# Altium PCB SAMW25_Xplained_Pro.PcbDoc (part 1 of 9)
Units mm, origin at the board's own origin, x right, y up, seen from the top; angles counter-clockwise.
Board outline 60 x 60 mm, 4 copper layers (Top Layer LF-signals, GND, POWER, Bottom Layer LF-signals), stack 1.602 mm thick; 139 components, 107 nets, 540 pads, 303 vias.
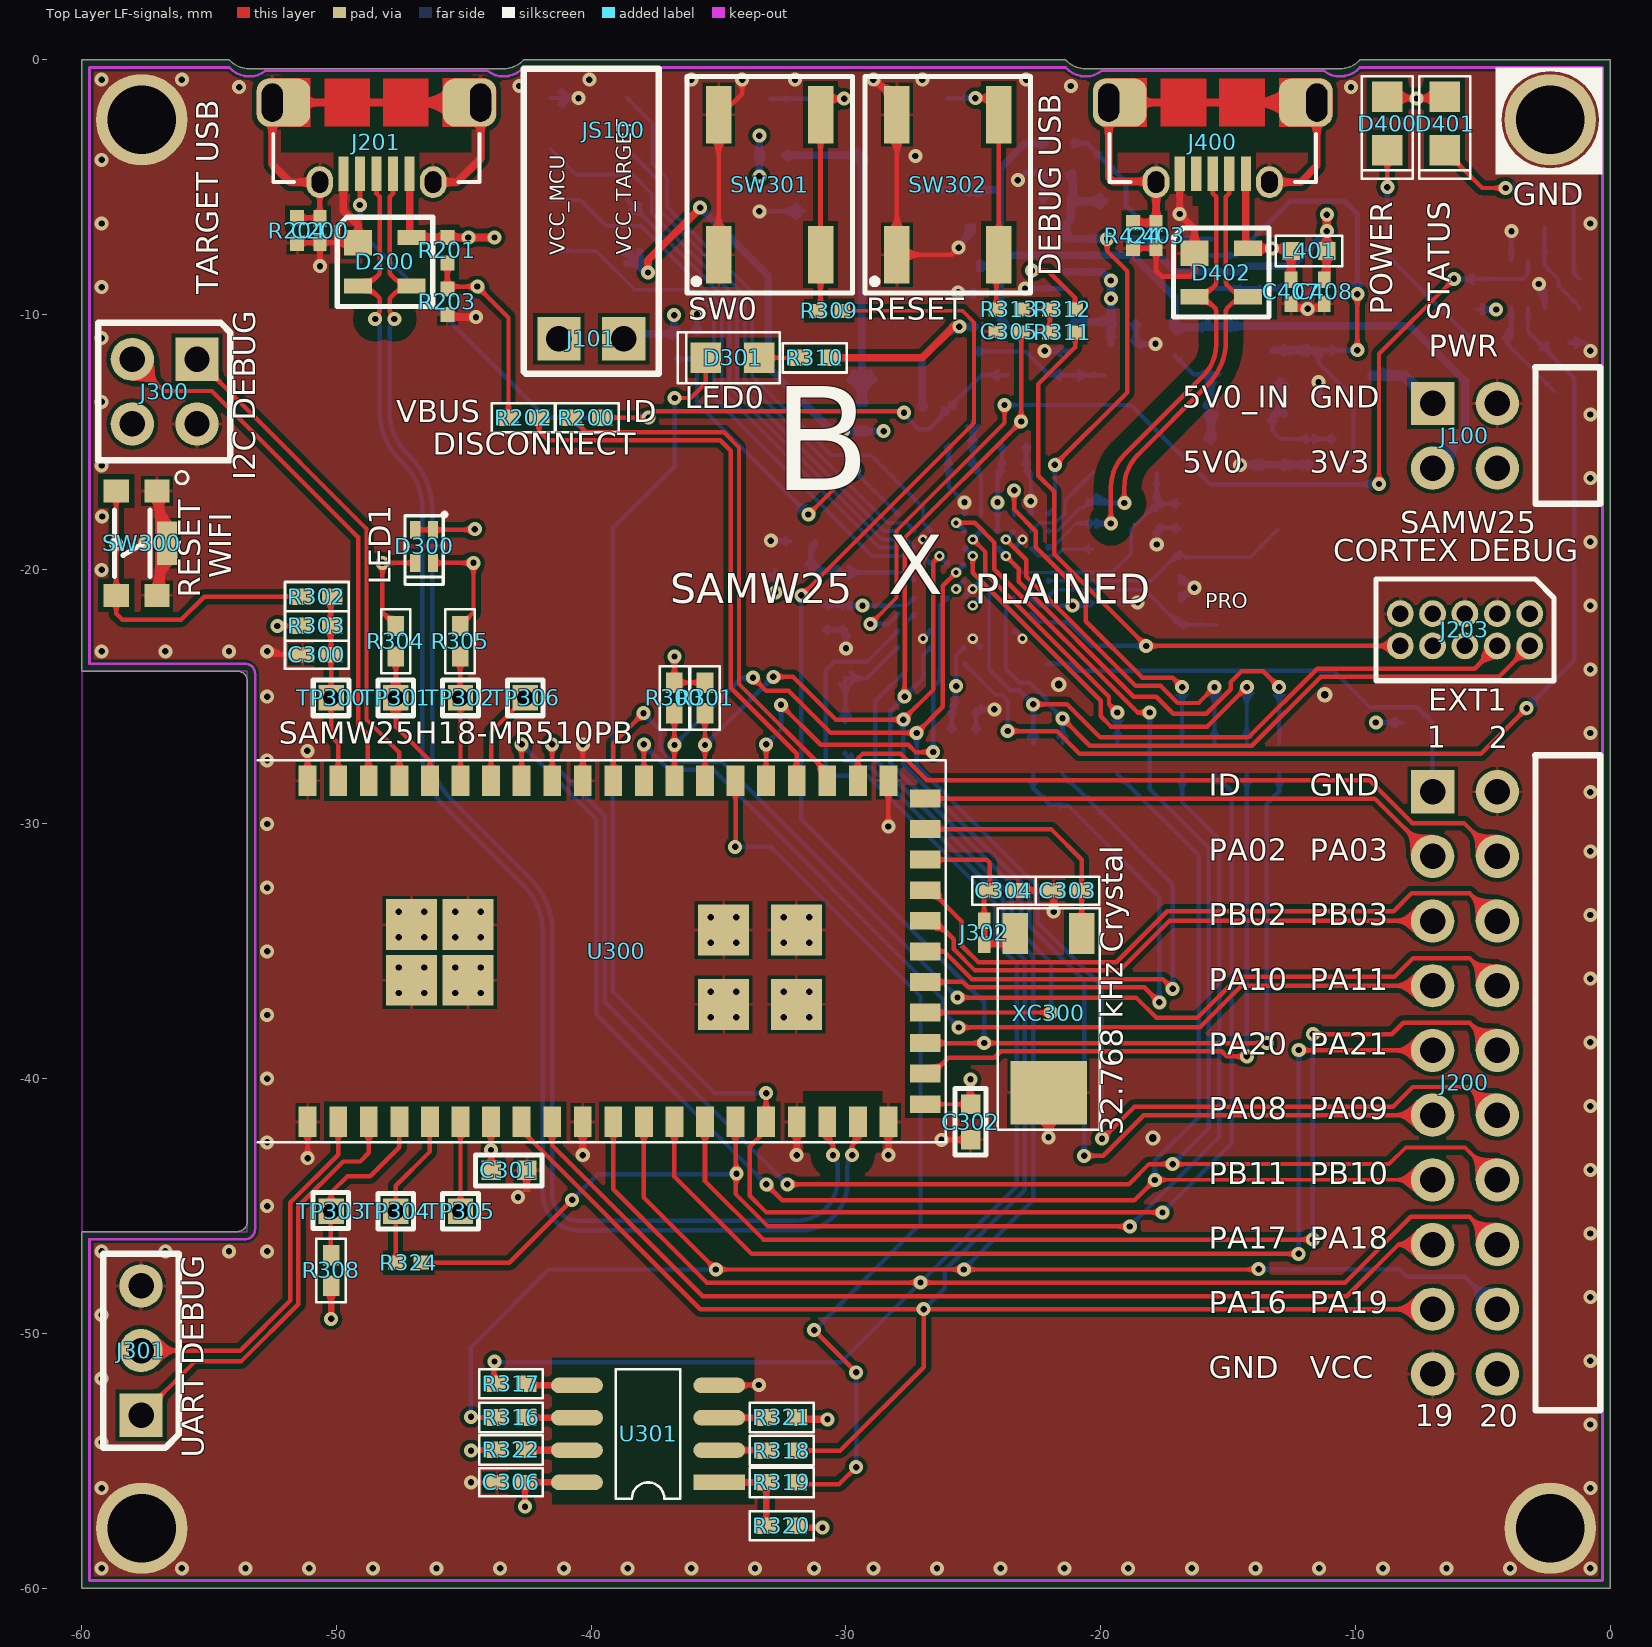
[diagram p0: Top Layer LF-signals view]
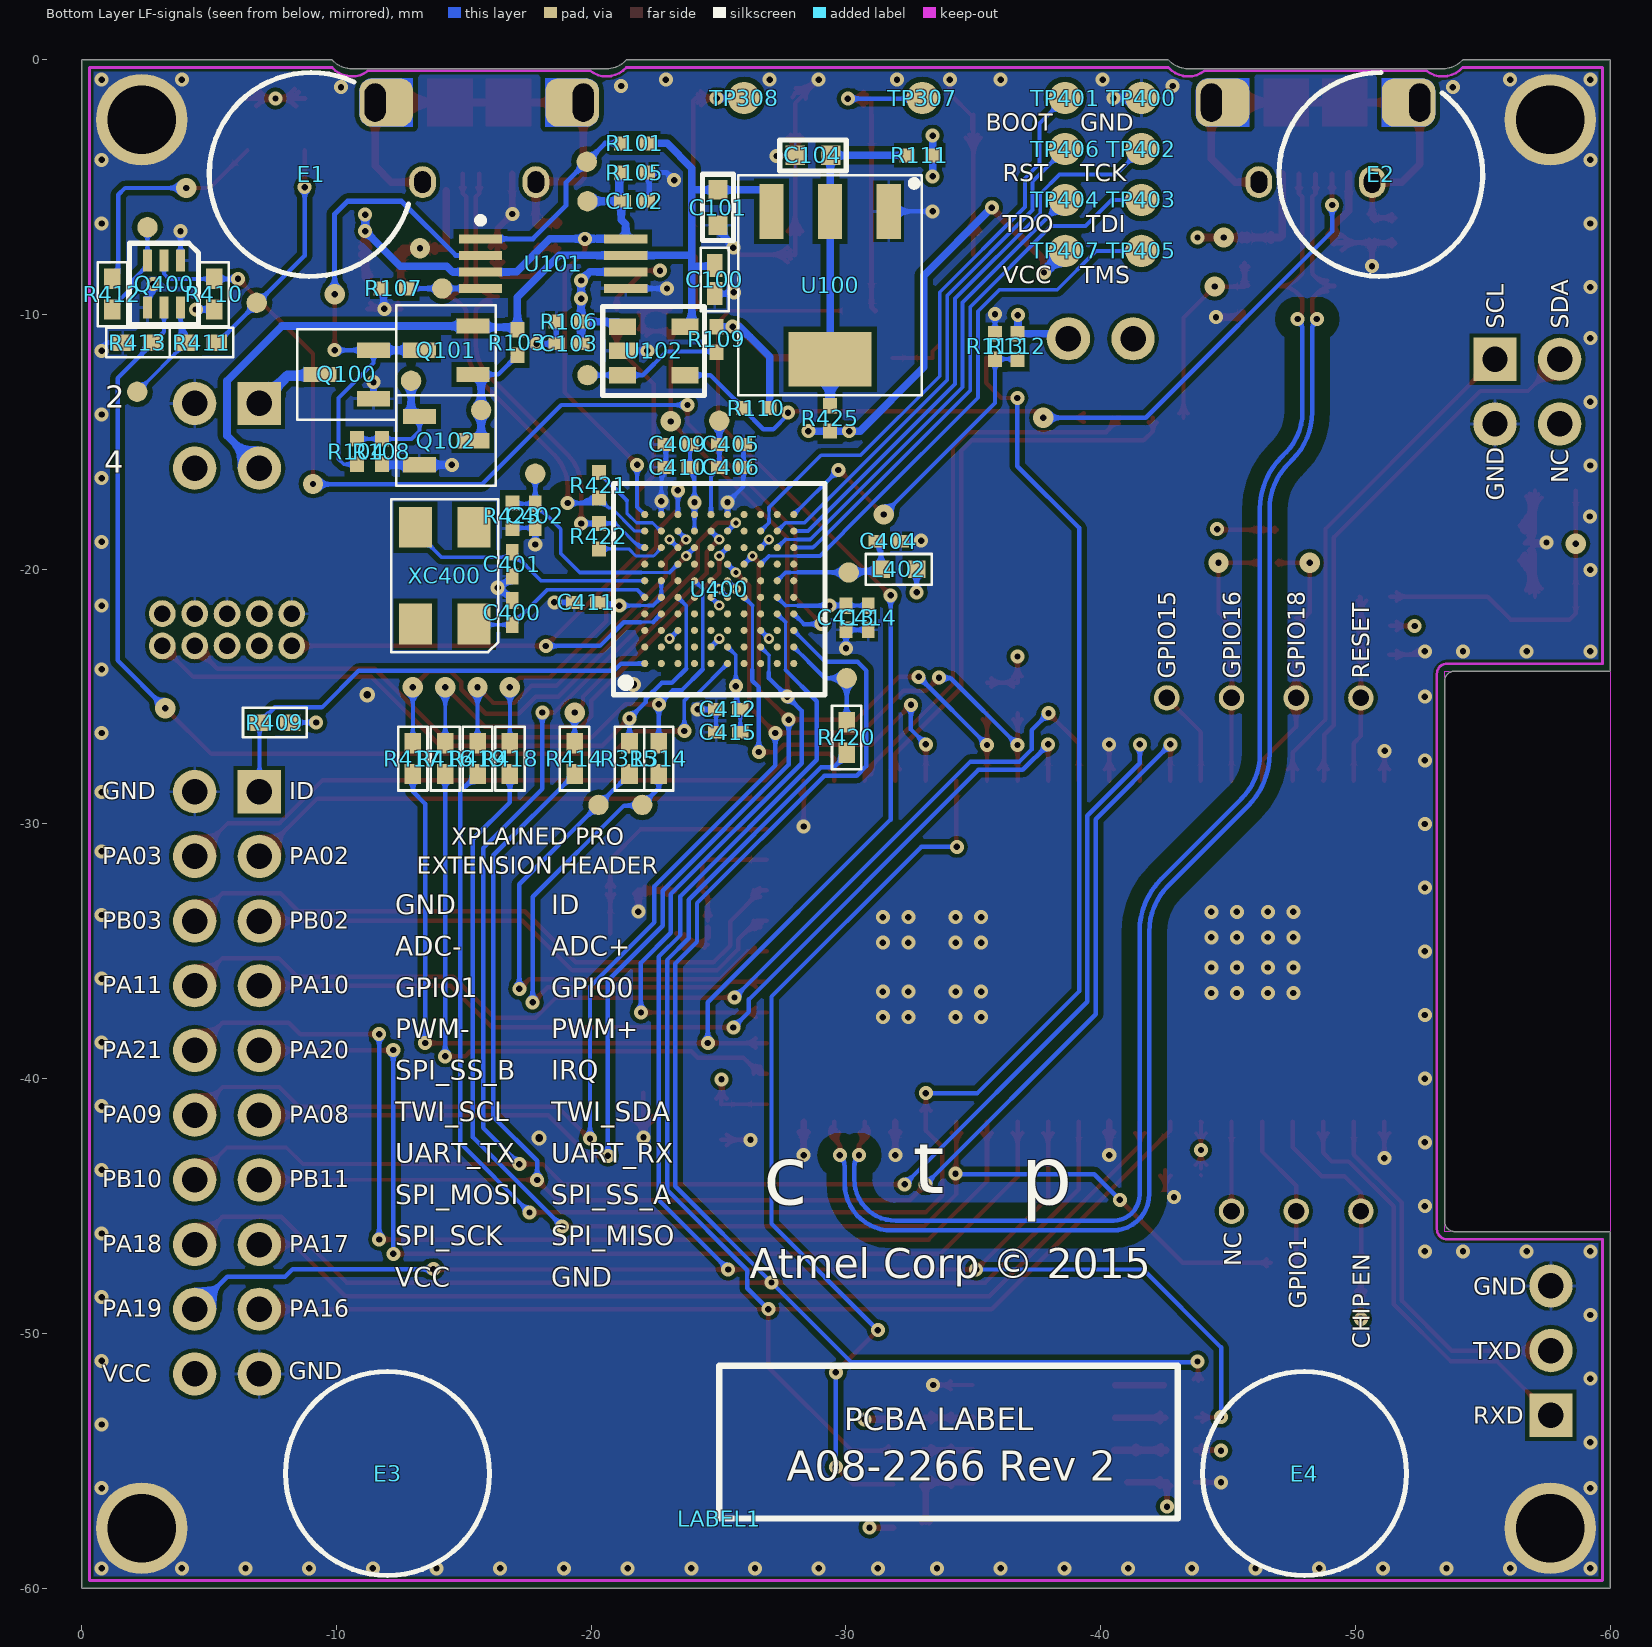
[diagram p1: Bottom Layer LF-signals view, seen from below]
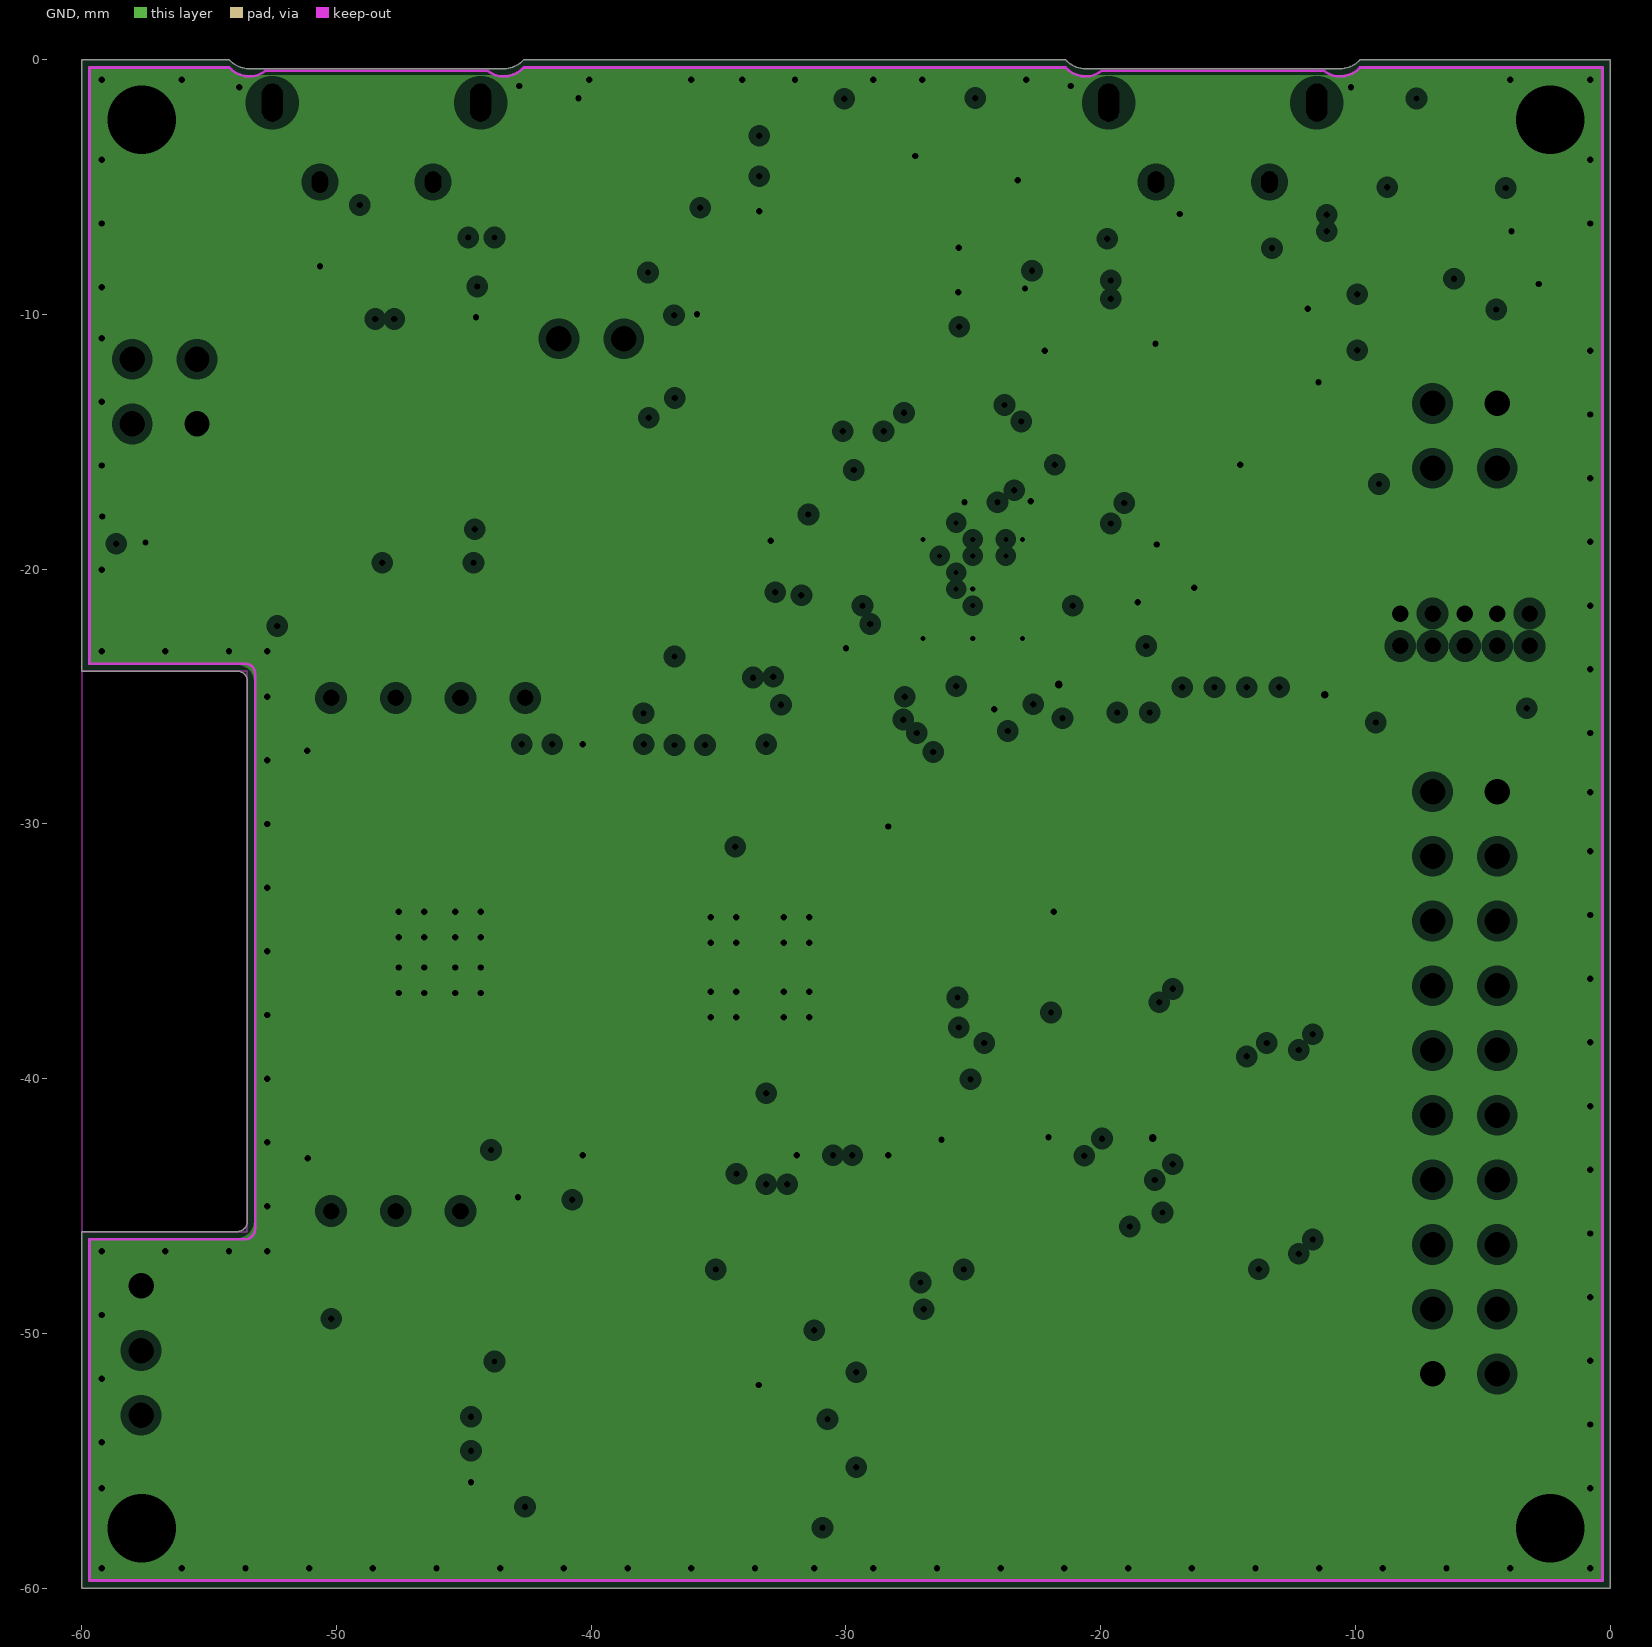
[diagram p2: GND, clearances drawn from the general rule]
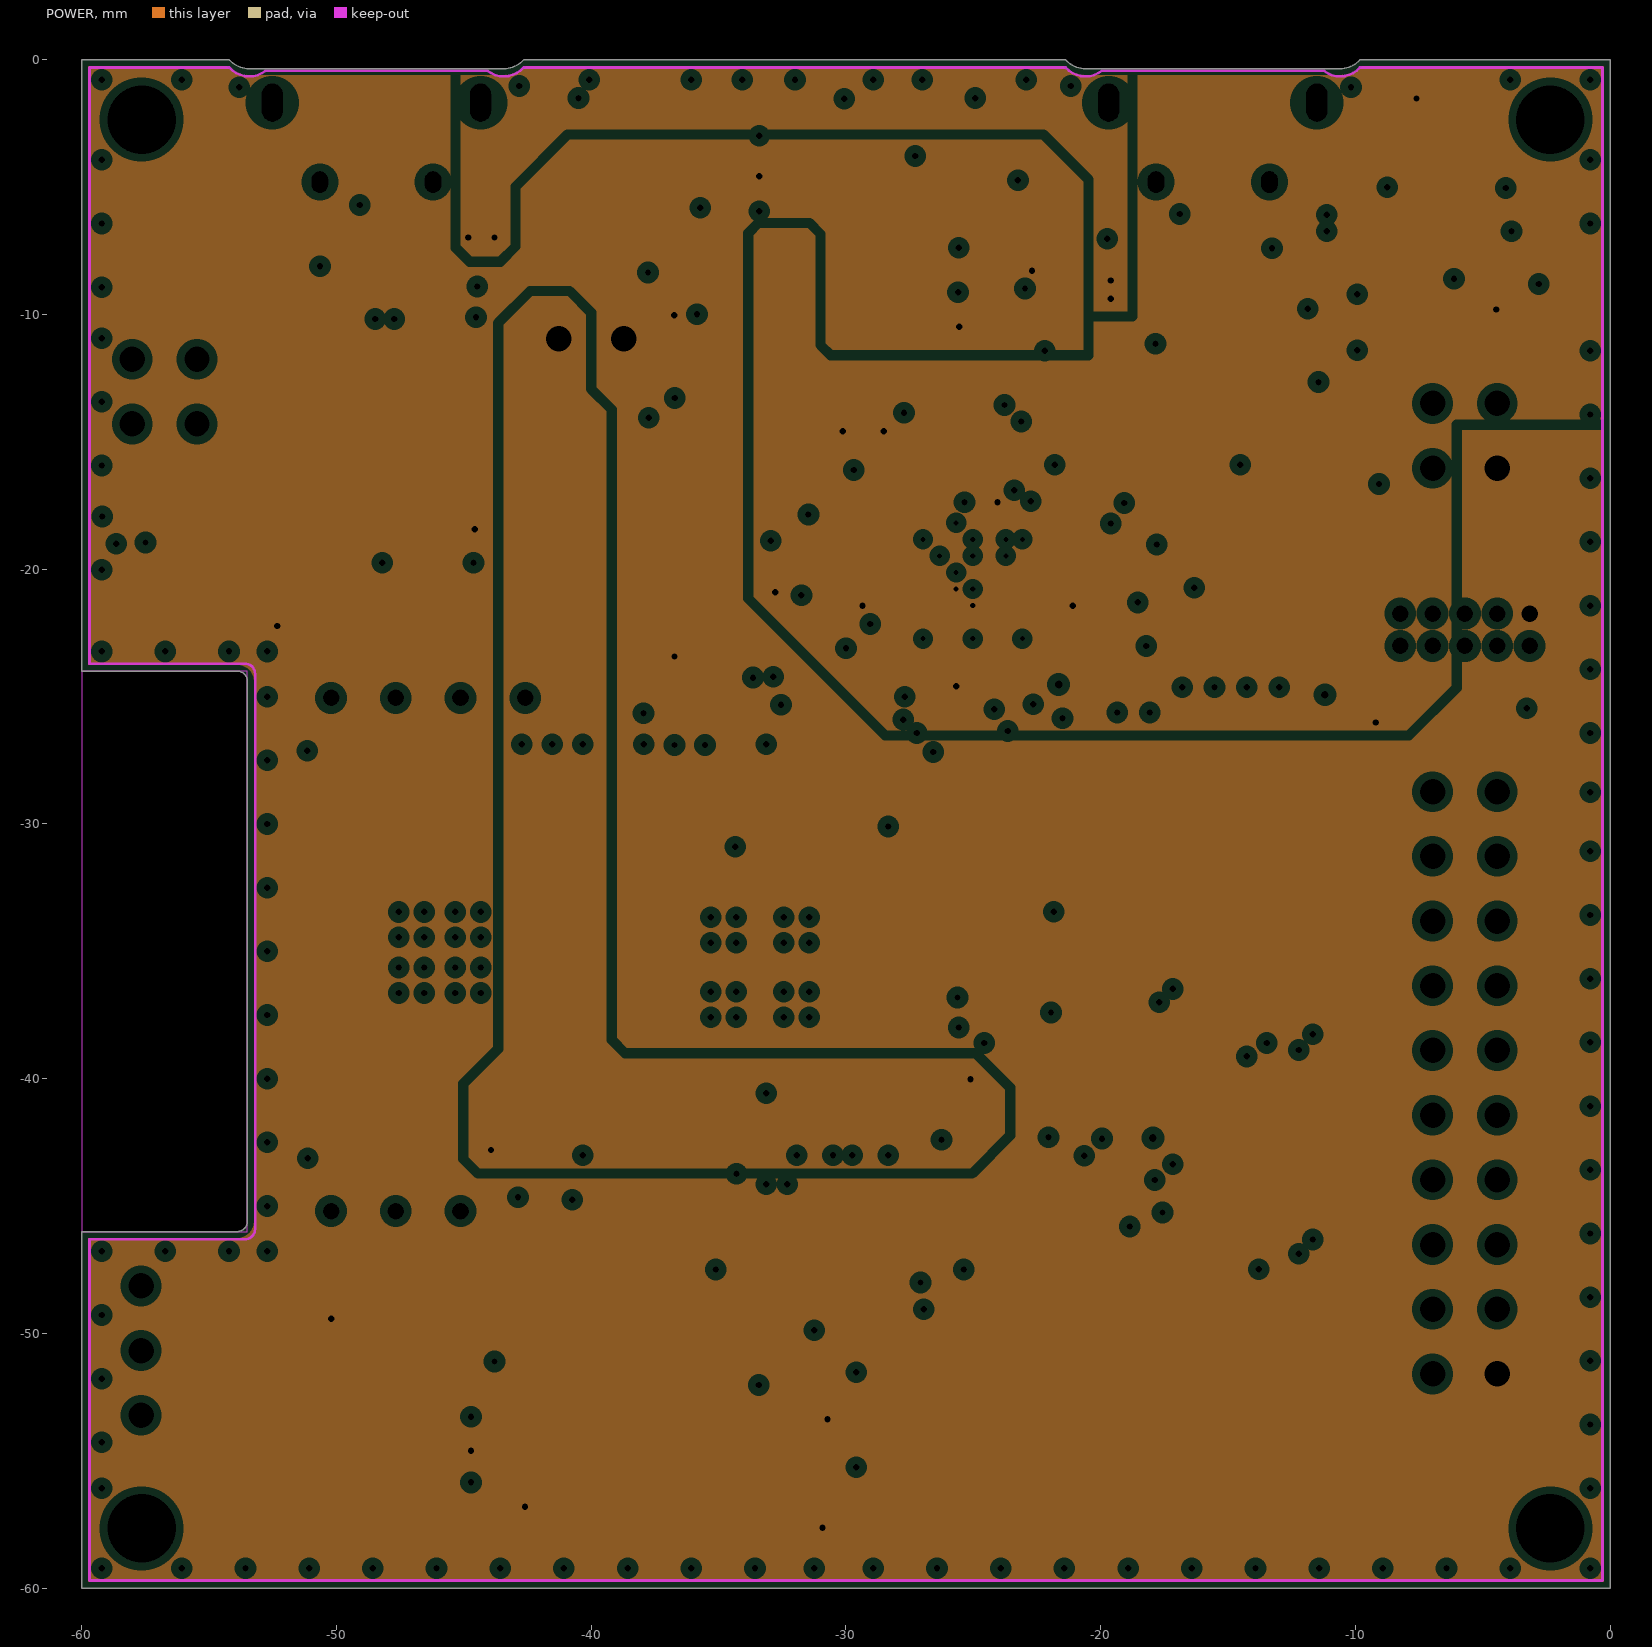
[diagram p3: POWER, clearances drawn from the general rule]
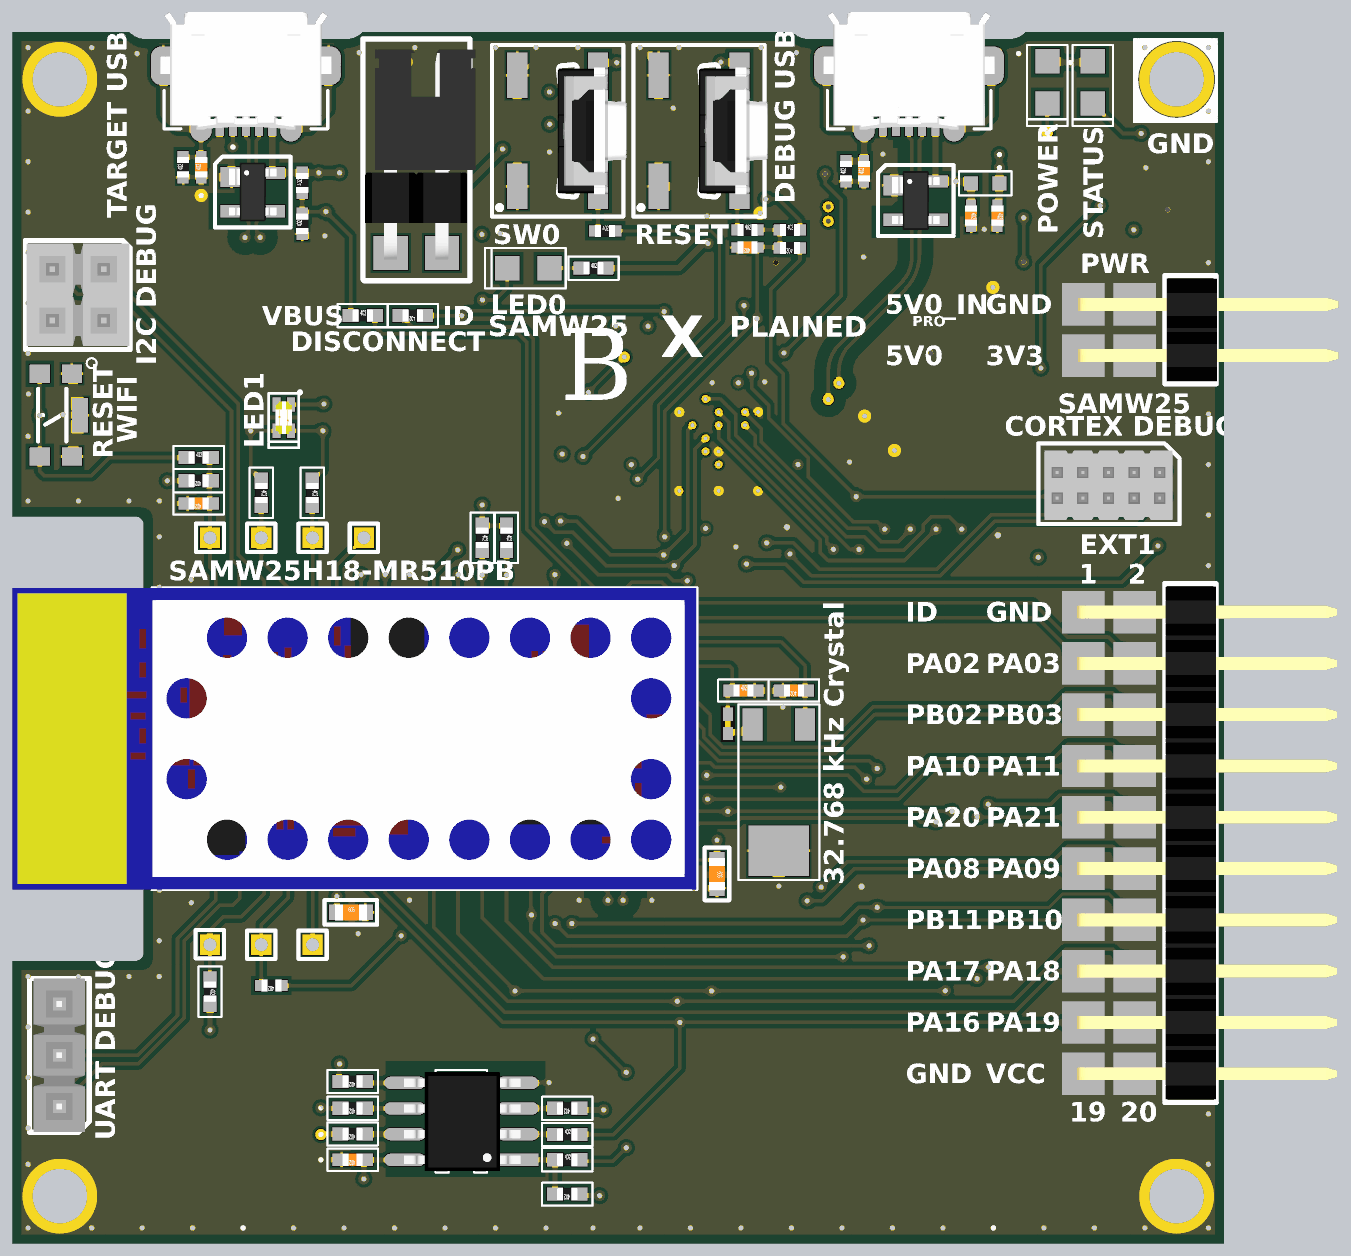
[diagram p12: 3D render of the assembled board from above, using the file's embedded part models]
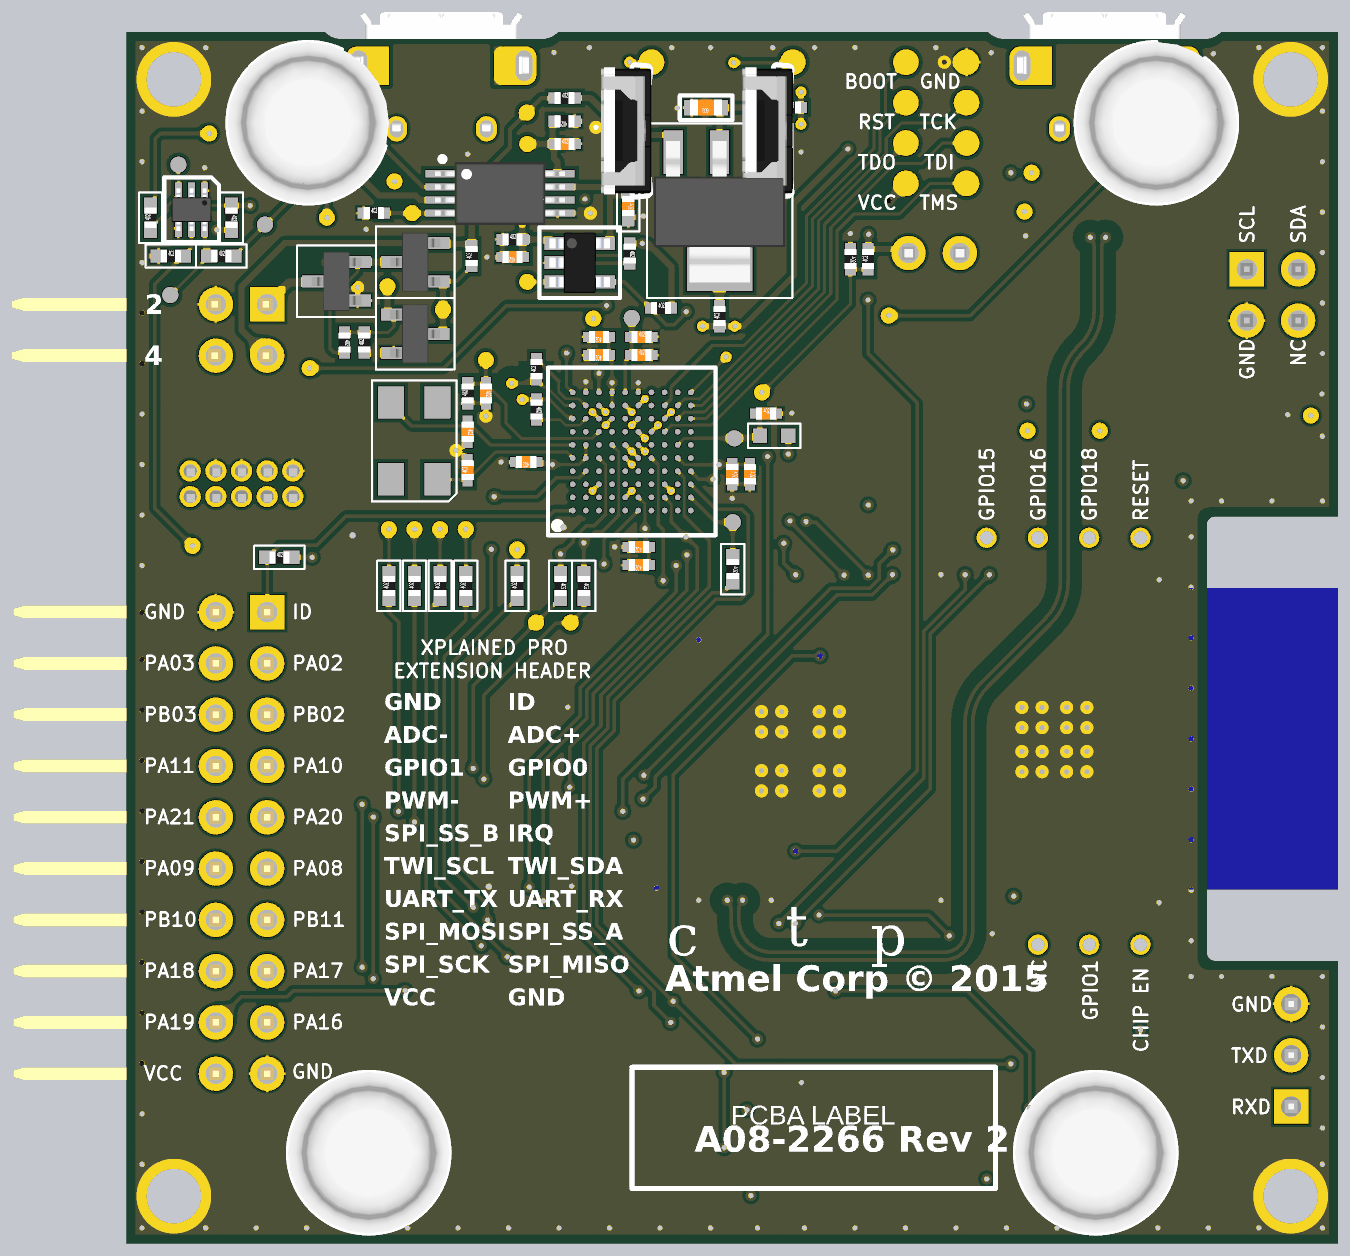
[diagram p13: 3D render of the assembled board from below, using the file's embedded part models]

## Layer stack, top to bottom
Top Solder: solder mask 0.0102, Solder Resist, Dk 3.5
Top Layer LF-signals: signal copper 0.0356
Dielectric1: prepreg 0.13, FR-4, Dk 4.8
GND: plane copper 0.0356, net GND
Dielectric2: core 1.2, FR-4, Dk 4.8
POWER: plane copper 0.0356, net (Multiple Nets)
Dielectric3: prepreg 0.13, FR-4, Dk 4.8
Bottom Layer LF-signals: signal copper 0.0356
Bottom Solder: solder mask 0.0102, Solder Resist, Dk 3.5

## Board outline
-60,-46 -53.9,-46 ccw(c-53.9,-45.6) -53.5,-45.6 -53.5,-24.4 ccw(c-53.9,-24.4) -53.9,-24 -60,-24 -60,0 -54.209,0 -54.209,-0.001 ccw(c-53.434,0.686) -53.434,-0.35 -43.434,-0.35 ccw(c-43.434,0.686) -42.659,-0.001 -42.659,0 -21.375,0 -21.375,-0.001 ccw(c-20.6,0.686) -20.6,-0.35 -10.6,-0.35 ccw(c-10.6,0.686) -9.825,-0.001 -9.825,0 0,0 0,-60 -60,-60

## Design rules (kind name [scope] priority, off if disabled: settings)
AcuteAngle [All] p1: minimum=7.00000000000000E+0001 checktracksonly=FALSE
AssemblyTestPointUsage "Schematic Assembly Testpoint Usage_8" [InNet('EDBG_USB_HS_P')] p1: valid=1
AssemblyTestPointUsage "Schematic Assembly Testpoint Usage_7" [InNet('EDBG_USB_HS_N')] p2: valid=1
AssemblyTestPointUsage "Schematic Assembly Testpoint Usage_6" [InNet('EDBG_USB_FS_P')] p3: valid=1
AssemblyTestPointUsage "Schematic Assembly Testpoint Usage_5" [InNet('EDBG_USB_FS_N')] p4: valid=1
AssemblyTestPointUsage "Schematic Assembly Testpoint Usage_10" [InNet('XOUT0')] p5: valid=1
AssemblyTestPointUsage "Schematic Assembly Testpoint Usage_9" [InNet('XIN0')] p6: valid=1
AssemblyTestPointUsage "Schematic Assembly Testpoint Usage_4" [InNet('PA00_XIN32')] p7: valid=1
AssemblyTestPointUsage "Schematic Assembly Testpoint Usage_3" [InNet('PA01_XOUT32')] p8: valid=1
AssemblyTestPointUsage "Schematic Assembly Testpoint Usage_2" [InNet('NetJ302_1')] p9: valid=1
AssemblyTestPointUsage "Schematic Assembly Testpoint Usage_1" [InNet('TARGET_USB_P')] p10: valid=1
AssemblyTestPointUsage "Schematic Assembly Testpoint Usage" [InNet('TARGET_USB_N')] p11: valid=1
AssemblyTestPointUsage [All] p12:
AssemblyTestpoint [All] p1: testpointundercomponent=TRUE minsize=0.8 maxsize=10 preferedsize=0.8 minholesize=0 maxholesize=2 preferedholesize=0.25 testpointgrid=0.025 usegrid=FALSE gridtolerance=0 allowsidebottom=TRUE minspacing=1.27 compbodyclearance=0.127
Clearance "Stitching GND" [IsStitchingVia and InNet('GND') vs (IsVia and (Not IsStitchingVia)) Or IsPad] p1: gap=1
Clearance Clearance_Poly_USB_Impedance [IsRegion vs InNet('TARGET_USB_P') OR InNet('TARGET_USB_N') OR InNet('EDBG_USB_HS_P') OR InNet('EDBG_USB_HS_N')] p2: gap=0.6
Clearance Clearance_Poly_KeepOut [(IsRegion OR IsFill) AND (OnLayer('Top Layer LF-signals') OR OnLayer('Bottom Layer LF-signals')) vs (OnLayer('Keep-Out Layer'))] p3: gap=0.1
Clearance Clearance_Poly [IsRegion vs (OnLayer('Top Layer LF-signals') OR OnLayer('Bottom Layer LF-signals'))] p4: gap=0.2
Clearance Clearance_EDBG [WithinRoom('Room_EDBG')] p5: gap=0.119
Clearance [All] p6: gap=0.15
DiffPairsRouting [All] p1: maxlimit=0.25 minlimit=0.2 mostfreqgap=0.2 toplayer_minwidth=0.18 toplayer_maxwidth=0.02 toplayer_prefwidth=0.18 bottomlayer_minwidth=0.18 bottomlayer_maxwidth=0.02 bottomlayer_prefwidth=0.18 maxuncoupledlength=5
FabricationTestPointUsage TestPointUsage [All] p1: valid=0 allowmultiple=FALSE
FabricationTestpoint Testpoint [All] p1: side=2 testpointundercomponent=TRUE minsize=0.55 maxsize=10 preferedsize=0.8 minholesize=0 maxholesize=2 preferedholesize=0.25 testpointgrid=0 allowsidebottom=TRUE usegrid=FALSE gridtolerance=0 minspacing=1.27 compbodyclearance=0.127
HoleSize [All] p1: absolutevalues=TRUE maxlimit=10 minlimit=0.15 maxpercent=80.000 minpercent=20.000
HoleToHoleClearance [All] p1: gap=0.3 allowstackedmicrovias=TRUE
MinimumAnnularRing [All] p1: minimumring=0.1
MinimumSolderMaskSliver [All] p1: minsoldermaskwidth=0.075
NetAntennae [not IsAssyTestpoint] p1: netantennaetolerance=0
PlaneClearance [All] p1: clearance=0.3
PlaneConnect PlaneConnect_VIA [IsVia OR HasPad('Free-666')] p1: planeconnectstyle=Direct reliefexpansion=0.508 reliefentries=4 reliefconductorwidth=0.254 reliefairgap=0.254
PlaneConnect "PlaneConnect 50mil" [HasFootprint('AP8-00257')] p2: planeconnectstyle=Relief reliefexpansion=0.2 reliefentries=4 reliefconductorwidth=0.2 reliefairgap=0.2
PlaneConnect [All] p3: planeconnectstyle=Relief reliefexpansion=0.508 reliefentries=4 reliefconductorwidth=0.254 reliefairgap=0.254
PolygonConnect PolygonConnect_VIA [IsVia OR HasPad('Free-666')] p1: connectstyle=Direct reliefconductorwidth=0.254 reliefentries=4 polygonreliefangle="90 Angle" airgapwidth=0.254
PolygonConnect [All] p2: connectstyle=Relief reliefconductorwidth=0.125 reliefentries=4 polygonreliefangle="90 Angle" airgapwidth=0.125
RoomDefinition Room_EDBG [InComponentClass('Room Definition 1')] p1: confinementstyle=ConfineIn formatcopy=TRUE lockcomponents=FALSE outline -29.529,-25.279 -29.529,-16.271 -20.521,-16.271 -20.521,-25.279
RoutingVias RoutingVias_EDBG [WithinRoom('Room_EDBG')] p1: holewidth=0.25 width=0.55 viastyle="Through Hole" minholewidth=0.2 minwidth=0.4 maxholewidth=0.5 maxwidth=1
RoutingVias [All] p2: holewidth=0.25 width=0.55 viastyle="Through Hole" minholewidth=0.25 minwidth=0.55 maxholewidth=0.5 maxwidth=1
SMDNeckDown [All] p1: percent=90.000
SilkToSilkClearance SilkToSilkClearance_Text [IsText vs IsText] p1: silktosilkclearance=0
SilkToSilkClearance [All] p2: silktosilkclearance=0.1
SilkToSolderMaskClearance SilkscreenOverComponentPads [IsPad] p1: minsilkscreentomaskgap=0.01 clearancetoexposedcopper=TRUE
SolderMaskExpansion SolderMaskTenting [IsVia AND NOT (IsFabTestpoint OR IsAssyTestpoint OR InComponent('U300'))] p1: expansion=-1
SolderMaskExpansion [All] p2: expansion=0.05
ViasUnderSMD [All] p1: allowed=FALSE
Width Width_EDBG [WithinRoom('Room_EDBG')] p1: maxlimit=2 minlimit=0.125 preferedwidth=0.175 toplayer_minwidth=0.15 minimp=50.000000 maximp=50.000000 favimp=50.000000
Width [All] p2: maxlimit=2 minlimit=0.15 preferedwidth=0.175
16 further rules are at their usual default settings.

## Classes and differential pairs
component class Target_MCU: C300 C301 C302 C303 C304 C305 C306 D300 D301 J300 J301 J302 R300 R301 R302 R303 R304 R305 R308 R309 R310 R311 R312 R313 R314 R315 R316 R317 R318 R319 R320 R321 R322 R324 SW300 SW301 SW302 TP300 TP301 TP302 TP303 TP304 TP305 TP306 TP307 TP308 U300 U301 XC300
component class EDBG: C400 C401 C402 C403 C404 C405 C406 C407 C408 C409 C410 C411 C412 C413 C414 C415 D400 D401 D402 J400 L401 L402 Q400 R409 R410 R411 R412 R413 R414 R416 R417 R418 R419 R420 R421 R422 R423 R424 R425 TP400 TP401 TP402 TP403 TP404 TP405 TP406 TP407 U400 XC400
component class Power_supply: C100 C101 C102 C103 C104 J100 J101 JS100 Q100 Q101 Q102 R101 R103 R104 R105 R106 R107 R108 R109 R110 R111 R112 R113 U100 U101 U102
component class SAMW25_Xplained_Pro_TopLevel: E1 E2 E3 E4 FW1 LABEL1
component class Connectors: C200 D200 J200 J201 J203 R200 R201 R202 R203 R204
component class "Room Definition 1": U400
differential pair EDBG_USB_FS: +EDBG_USB_FS_P -EDBG_USB_FS_N
differential pair EDBG_USB_HS: +EDBG_USB_HS_P -EDBG_USB_HS_N
differential pair TARGET_USB: +TARGET_USB_P -TARGET_USB_N
